# Altium PCB Main.PcbDoc (part 2 of 3)
Units mm, origin at the board's own origin, x right, y up, seen from the top; angles counter-clockwise.
Board outline 75 x 150 mm, 4 copper layers (SIG1, GND1, GND2, SIG2), stack 1.602 mm thick; 218 components, 159 nets, 788 pads, 864 vias.
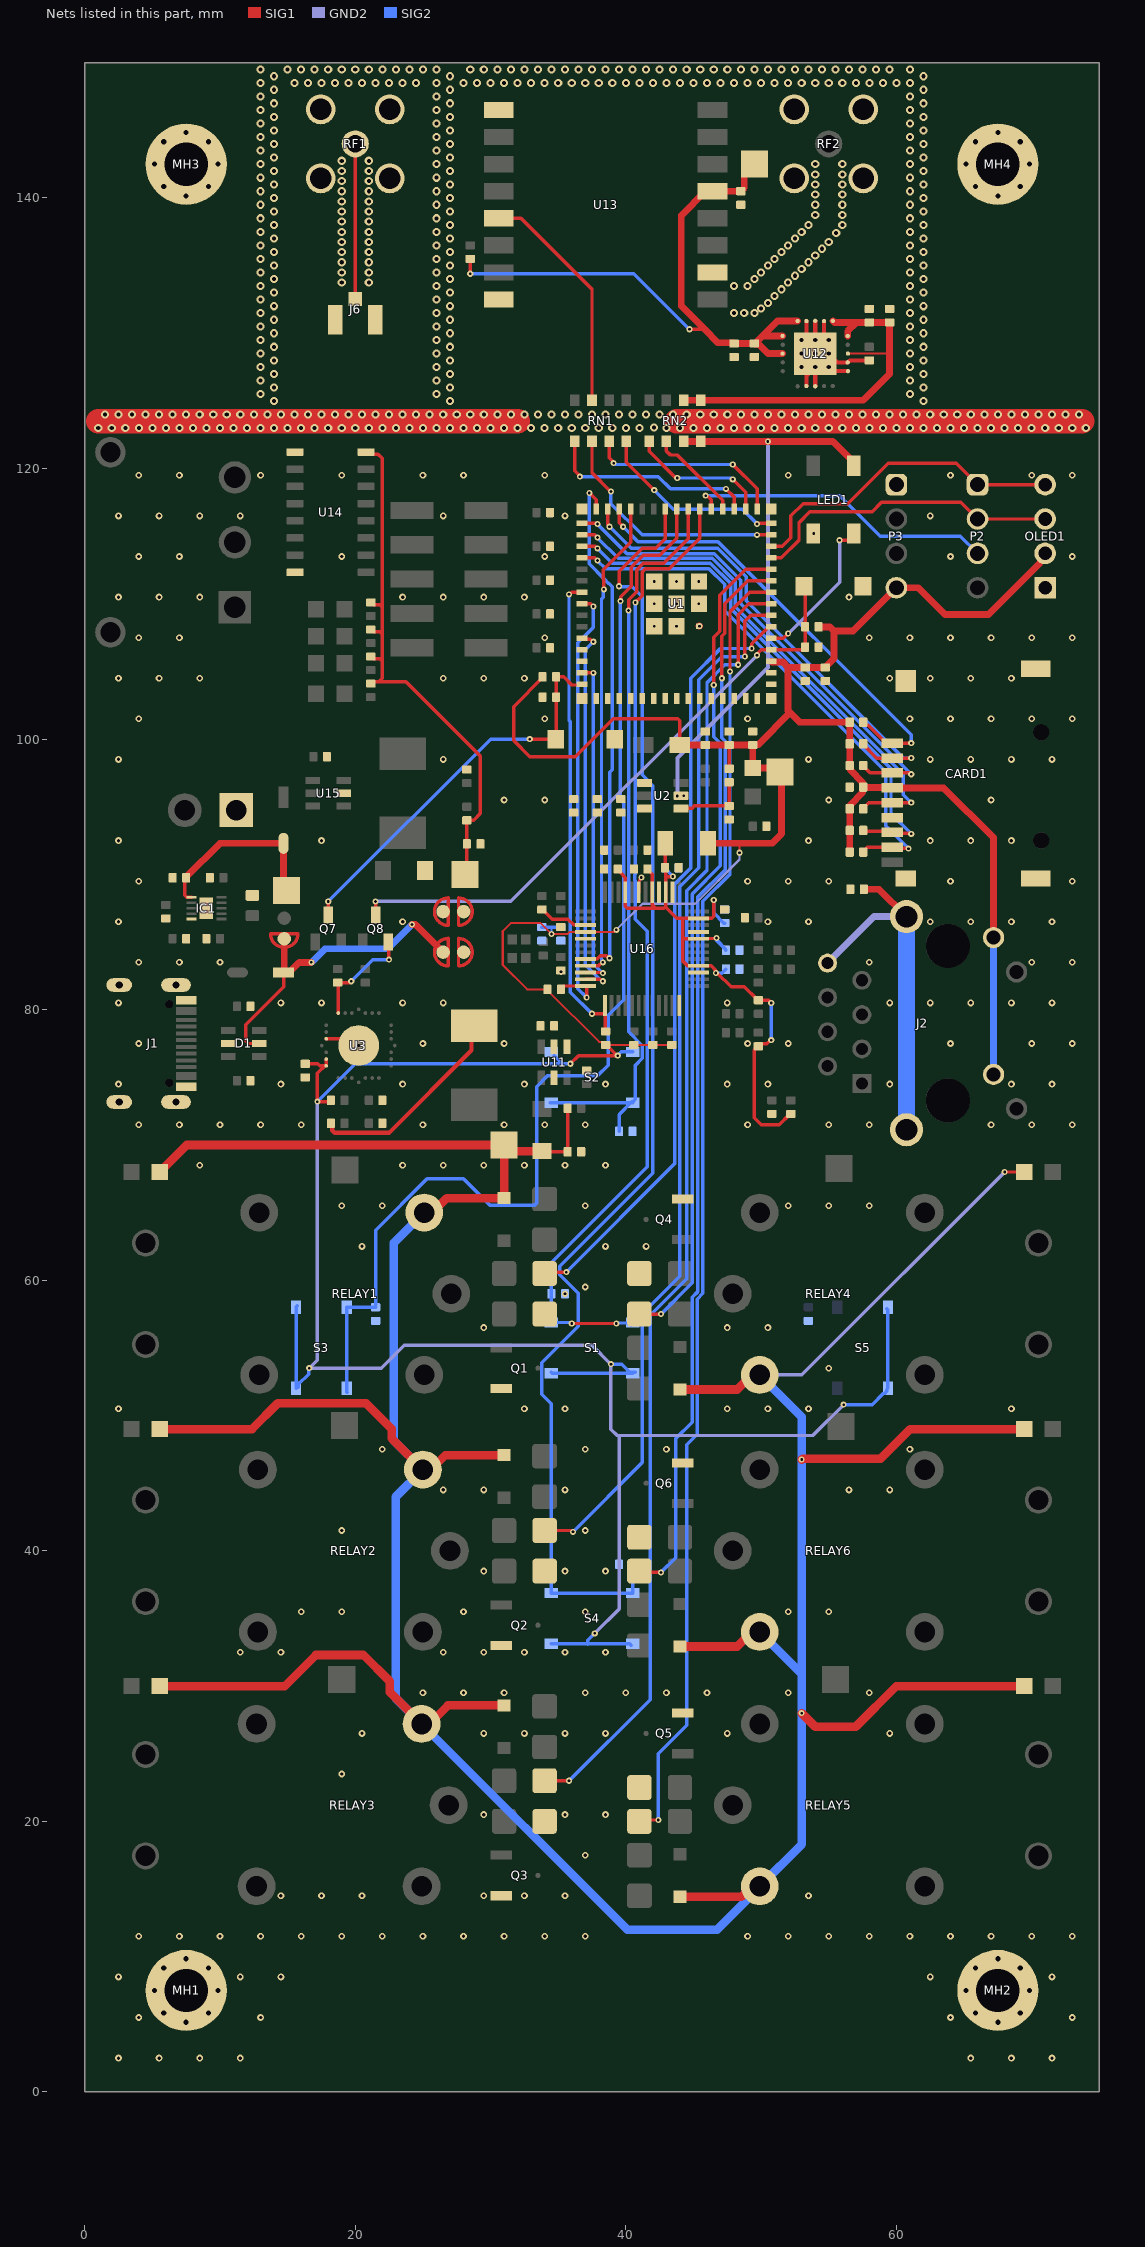
[diagram p4: the nets of this part, all layers, seen from the top]

## Part data
C1 C2 C5 C10 C12 C14 C15 C18 C19 C21 C28 C29 C30 C31 C32 C33 C34: library part CAP_0402, "Capacitor SMD 0402", Rating=100n
C3 C4 C9 C11 C13 C16 C17 C20 C22 C27 C35: library part CAP_0402, "Capacitor SMD 0402"
C6 C7 C8 C23 C24 C25 C26: library part CAP_0402, "Capacitor SMD 0402", Rating=22u
C36: library part CAP_0402, "Capacitor SMD 0402", Rating=22n
C37 C39: library part CAP_0402, "Capacitor SMD 0402", Rating=8p
C38 C40: library part CAP_0402, "Capacitor SMD 0402", Rating=6n8
C41 C43: library part CAP_0402, "Capacitor SMD 0402", Rating=10n
C42: library part CAP_0402, "Capacitor SMD 0402", Rating=4u7
C44: library part CAP_0402, "Capacitor SMD 0402 100V", Rating=1n
CARD1: JLCPCB Part Class="Extended Part", Manufacturer="SHOU HAN(首韩)", Contributor=LCSC, Manufacturer Part="TF PUSH", spicePre=C, spiceSymbolName="TF PUSH", Supplier=LCSC, Supplier Part=C393941
D1: JLCPCB Part Class="Extended Part", Manufacturer=ST(意法半导体), Manufacturer Part=USBLC6-2SC6, spicePre=D, spiceSymbolName=USBLC6-2SC6, Supplier=LCSC, Supplier Part=C7519
D2 D3: library part CMP-0303-00003-3, "DIODE SCHOTTKY 40V 1A SOD123", Average Rectified Current=1A, Capacitance=110pF, Case/Package=SOD-123-2, Forward Voltage=450mV, Max Forward Surge Current (Ifsm)=25A, Max Operating Temperature=125°C, Max Power Dissipation=450mW, Max Repetitive Reverse Voltage (Vrrm)=40V, Min Operating Temperature=-65°C, Package Quantity=3000, Peak Reverse Current=50uA, Contact Plating=Tin, Current Rating=1A, Element Configuration=Single, Forward Current=1A, Height=1.25mm, Lead Free="Lead Free", Length=2.85mm, Max Reverse Voltage (DC)=40V, Number of Pins=2, Output Current=1A, Packaging="Tape and Reel", Peak Non-Repetitive Surge Current=25A, Polarity=Standard, Radiation Hardening=No, REACH SVHC="No SVHC", Termination=SMD/SMT, Voltage Rating (DC)=40V, Weight=0.000353oz, Width=1.7mm
D5: library part CMP-22017-000036-1, "LED ORANGE CLEAR SMD", Case Code (Imperial)=0805, Case Code (Metric)=2012, Color=Orange, Forward Current=30mA, Forward Voltage=2V, Lens Color=Colorless, Max Operating Temperature=85°C, Min Operating Temperature=-55°C, Package Quantity=1, Power Dissipation=75mW, Reverse Voltage=5V, Test Current=20mA, Case/Package=0805, Depth=1.6mm, Dominant Wavelength=605nm, Height=1.1mm, Illumination Color=Orange, Lead Free="Lead Free", Length=3.2mm, Lens Style=Diffused, Lens Transparency=Clear, Luminous Intensity=60mcd, Mount="Surface Mount", Number of Elements=1, Number of LEDs=1, Number of Pins=2, Packaging="Tape and Reel", Power Rating=75mW, Radiation Hardening=No, Viewing Angle=130°, Wavelength=611nm, Width=1.25mm
D6 D9: library part CMP-15604-000001-1, "DIODE SCHOTTKY 40V 3A SOD123W", RoHS Compliant=Yes
DS1 DS2 DS3 DS4 DS5 DS6 DS7 DS8 DS9: library part CMP-2000-07593-1, "LED Red, 75 mW, 54 mcd, -55 to 85 degC, 2-Pin SMD, RoHS, Tape and Reel", Case Code (Imperial)=0805, Case Code (Metric)=2012, Colour=Red, Forward Current=30mA, Forward Voltage=2V, Lens Colour=Colorless, Manufacturer=Lite-On, Max Operating Temperature=85degC, Min Operating Temperature=-55degC, Package Description="2-Pin Surface Mount Device, Body 2 x 1.25 mm", Package Quantity=1, Package Reference=C170KRKT, Power Dissipation=75mW, Test Current=20mA, Case\/Package=0805, Datasheet URL=http://optoelectronics.liteon.com/upload/download/DS-22-99-0150/LTST-C170KRKT.pdf, Datasheet Version="Rev. D, 11/2014", Depth=1.6mm, Dominant Wavelength=631nm, Height=1.1mm, Illumination Colour=Red, Lead Free=LeadFree, Length=3.2mm, Lens Style=Rectangular, Lens Transparency=Clear, Luminous Intensity=54mcd, Manufacturer URL=http://www.us.liteon.com/, Mount=SurfaceMount, Mounting Technology=SurfaceMount, Number of Elements=1, Number of LEDs=1, Number of Pins=2, Packaging=TapeandReel, Power Rating=75mW, Radiation Hardening=No, RoHSCompliant=True, Viewing Angle=130degrees, Wavelength=639nm, Width=1.25mm
DS10: library part CMP-2000-06620-1, "Ultra Bright AlInGaP Chip LED, 75 mW, -55 to 85 degC, 2-Pin SMD (0805), RoHS, Tape and Reel", Emitting Color=YellowGreen, Forward Current=30mA, Forward Voltage=2.4V, Manufacturer=Lite-On, Operating Temp Range=-55Cto85C, Operating Temperature Classification=Industrial, Package Description="2-Pin Surface Mounted Device, Body 2 x 1.25 mm", Package Reference=LTST-C170KGKT-2, Package Type=ChipLed, Power Dissipation=75W, Power Dissipation Max=75mW, Reverse Voltage=5V, Test Current (It)=20mA, Chip Material=AlGaInP, Datasheet URL=http://optoelectronics.liteon.com/upload/download/DS22-2000-073/S_110_LTST-C170KGKT.pdf, Datasheet Version="Rev. G, 06/2005", DELETED=Compliant, Dominant Wave Length=571nm, Forward Current Max=30mA, High Brightness=Yes, Lens Dimensions=1.4x1.25x0.6mm, Lum Intensity=35mcd, Luminous Intensity=35mcd, Main Category=ChipLED, Manufacturer URL=http://www.us.liteon.com/, Mounting=SurfaceMount, Mounting Technology=SurfaceMount, Number of  Elements=1, Packaging=TapeandReel, Peak Wavelength=574nm, Pin Count=2, Product Depth (mm)=1.25mm, Product Height (mm)=1.1mm, Product Length (mm)=2mm, Rad Hardened=No, Shape Type=Rectangular, Type=Uni-Color, Viewing Angle=130deg
FB1: library part CMP-0686-00732-3, "Chip Ferrite Bead Array, 1206, 120Ω @ 100MHz, 0.02Ω, 25%, 3.5A", Case Code (Imperial)=1206, Case Code (Metric)=3216, Current Rating=3.5A, DC Current=3A, DC Resistance (DCR)=20mR, Frequency=100MHz, Max Operating Temperature=125°C, Min Operating Temperature=-55°C, Package Quantity=3000, Tolerance=25%, Case/Package=1206, Contact Plating=Tin, Core Material=Ferrite, Depth=1.6mm, Height=1.1mm, Impedance=120R, Lead Free="Lead Free", Length=3.2mm, Material=Steel, Max Current Rating=3.5A, Max DC Current=3A, Military Standard=Not, Number of Lines=1, Number of Pins=2, Packaging="Tape and Reel", Radiation Hardening=No, RoHS Compliant=Yes, Shielding=Unshielded, Termination=SMD/SMT, Test Frequency=100MHz, Width=1.6mm
IC1: "Integrated Circuit", Manufacturer_Name="Texas Instruments", Mouser Part Number=595-BQ25185DLHR, Datasheet Link=https://www.ti.com/lit/ds/symlink/bq25185.pdf?ts=1706857561339&ref_url=https%253A%252F%252Fwww.ti.com%252Fproduct%252FBQ25185, Height=0.8mm, Manufacturer_Part_Number=BQ25185DLHR, Mouser Price/Stock=https://www.mouser.co.uk/ProductDetail/Texas-Instruments/BQ25185DLHR?qs=Z%252BL2brAPG1IbO%2FV3RqsaPw%3D%3D
J1: "USB Type C Connector Horizontal SMT", Manufacturer="Koren Hroparts", Manufacturer Part Number=TYPE-C-31-M-12
J2: library part CMP-240752-000001-1, "CONN JACK 1PORT 100 BASE-T PCB", Color=Green, Max Operating Temperature=85°C, Min Operating Temperature=-40°C, Connector Type=RJ45, Contact Material=Brass, Contact Plating=Gold, Direction=Down, Housing Material=Thermoplastic, Mount="Through Hole", Number of Cores per Jack=4, Number of Ports=1, Number of Rows=1, Packaging=Bulk, Series=-, Shielding=Shielded, Termination=Solder
J3: "Connector", Manufacturer_Name=Amphenol, Mouser Part Number=649-72454-010VLF, Datasheet Link=https://cdn.amphenol-cs.com/media/wysiwyg/files/drawing/72454.pdf, Height=12.78mm, Manufacturer_Part_Number=72454-010VLF, Mouser Price/Stock=https://www.mouser.co.uk/ProductDetail/Amphenol-FCI/72454-010VLF?qs=yJYkLTYh574QEF9%252BDEmzOw%3D%3D
J6: library part CMP-11598-000004-1, "CONN U.FL RCPT STR 50 OHM SMD", Case/Package=SMD/SMT, Dielectric Material=Polymer, Housing Color=Beige, Max Frequency=6GHz, Max Operating Temperature=90°C, Min Operating Temperature=-40°C, Package Quantity=10000, Body Material=Bronze, Body Plating=Silver, Center Contact Plating=Gold, Connector Type=Receptacle, Contact Material=Brass, Fastening Type=SNAP-ON, Impedance=50R, Lead Free="Lead Free", Mating Cycles=30, Mount="Surface Mount", Number of Ports=1, Packaging="Tape and Reel", RoHS Compliant=Yes, Series=U.FL, Termination=Solder
L1: library part CMP-02424-000689-1, "FIXED IND 2.2UH 3A 46 MOHM SMD", Case/Package=1212, Current Rating=3A, DC Resistance (DCR)=46mR, Inductance=2.2uH, Inductance Tolerance=20%, Max Operating Temperature=125°C, Min Operating Temperature=-55°C, Package Quantity=3000, Saturation Current=3.3A, Self Resonant Frequency=55MHz, Test Frequency=100kHz, Contact Plating=Tin, Core Material=Metal, Depth=3.2mm, Height=2mm, Height - Seated (Max)=0.079inch, Lead Free="Lead Free", Length=3.6mm, Max DC Current=3A, Military Standard=Not, Mount="Surface Mount", Number of Pins=2, Packaging="Tape and Reel", Radiation Hardening=No, Rated Current-Max=3A, RMS Current (Irms)=3A, RoHS Compliant=Yes, Series=IHLP-1212BZ-11, Shielding=Shielded, Termination=SMD/SMT, Tolerance=20%, Width=3mm
L2 L3: library part CMP-02424-000065-1, "Commercial Inductors, High Saturation Series 4.7uH 6.5A 30.3mΩ 20%", Case/Package=2525, Current Rating=6.5A, DC Resistance (DCR)=30.3mR, Inductance=4.7uH, Inductance Tolerance=20%, Max Operating Temperature=125°C, Min Operating Temperature=-55°C, Package Quantity=500, Saturation Current=7A, Self Resonant Frequency=1MHz, Test Frequency=100kHz, Core Material=Ferrite, Depth=6.72mm, Height=5mm, Height - Seated (Max)=0.197inch, Lead Free="Lead Free", Length=6.86mm, Max DC Current=6.5A, Military Standard=Not, Mount="Surface Mount", Number of Pins=2, Packaging="Tape and Reel", Radiation Hardening=No, RMS Current (Irms)=6.5A, Shielding=Shielded, Termination=SMD/SMT, Tolerance=20%, Width=0.255inch
LED1: library part XL-5050RGBC-WS2812B_1, JLCPCB Part Class="Extended Part", Manufacturer=XINGLIGHT(成兴光), Add into BOM=yes, Convert to PCB=yes, Datasheet=https://atta.szlcsc.com/upload/public/pdf/source/20240412/E1004CAA80592E31D08BFE019083806F.pdf, Device=XL-5050RGBC-WS2812B, LCSC Part Name=XL-5050RGBC-WS2812B, Manufacturer Part=XL-5050RGBC-WS2812B, Supplier=LCSC, Supplier Footprint=SMD5050, Supplier Part=C2843785, Symbol=XL-5050RGBC-WS2812B
OLED1: JLCPCB Part Class="Extended Part", LCSC Part Name="2.42'2.42寸 128*64 OLED显示屏 I2C通讯 SH1106 蓝光", Manufacturer=HS(汉昇), Operating Temperature=-40℃~+70℃, Add into BOM=yes, Convert to PCB=yes, Datasheet=https://atta.szlcsc.com/upload/public/pdf/source/20230720/176F0AF8D37A088395ACB9E2EFE5699A.pdf, Device=HS242L03B2C01, Interface Type=I2C, Main Control Chip=SSD1309, Manufacturer Part=HS242L03B2C01, Size=2.42, Supplier=LCSC, Supplier Footprint=-, Supplier Part=C7466000, Symbol=HS242L03B2C01
P2 P3: library part CMP-1502-01064-3, Color=Black, Contact Resistance=20mΩ, Current Rating=3A, Max Operating Temperature=105°C, Min Operating Temperature=-40°C, Operating Supply Voltage=250V, Connector Type="Male Pin", Contact Material=Copper, Contact Mating Length=5.9944mm, Contact Plating=Gold, Gender=Male, Height=8.89mm, Lead Free="Lead Free", Lead Pitch=2.54mm, Mount="Through Hole", NexarPartId=32855522, Number of Contacts=4, Number of Pins=4, Number of Positions=4, Number of Rows=1, Orientation=Vertical, Packaging=Bulk, Pitch=2.54mm, REACH SVHC=Unknown, RoHS=Compliant, Termination=Solder, Voltage Rating=250V
Q1 Q2 Q3 Q4 Q5 Q6: library part D882(RANGE:160-320)_C9634, Collector - Emitter Voltage VCEO=30V, Current - Collector Cutoff=1uA, Current - Collector(Ic)=3A, DC Current Gain=160@1A,2V, JLCPCB Part Class="Basic Part", LCSC Part Name="Y档 160~320", Manufacturer=CJ(江苏长电/长晶), Operating Temperature=-55℃~+150℃, Pd - Power Dissipation=500mW, Transition frequency(fT)=50MHz, Add into BOM=yes, Convert to PCB=yes, Datasheet=https://atta.szlcsc.com/upload/public/pdf/source/20121027/1457706543612.pdf, Device=D882(RANGE:160-320)_C9634, Manufacturer Part=D882(RANGE:160-320), Supplier=LCSC, Supplier Footprint=SOT-89-3, Supplier Part=C9634, Symbol=D882_C9634, Type=NPN, Vce Saturation(VCE(sat))=500mV
Q7 Q8: Collector Cut-Off Current (Icbo)=150nA, Collector-Emitter Saturation Voltage (VCE(sat)@Ic,Ib)=500mV@800mA,80mA, DC Current Gain (hFE@Ic,Vce)=100@100mA,1V, JLCPCB Part Class="Extended Part", LCSC Part Name="NPN 电流:800mA 耐压:25V", Manufacturer=LRC(乐山无线电), Operating Temperature=-55℃~+150℃, Add into BOM=yes, Convert to PCB=yes, Datasheet=https://atta.szlcsc.com/upload/public/pdf/source/20150518/1457707314424.pdf, Device=L8050QLT1G, Manufacturer Part=L8050QLT1G, Supplier=LCSC, Supplier Footprint=SOT-23, Supplier Part=C49581, Symbol=L8050QLT1G
R1 R12 R13 R14 R17 R18 R21 R22 R23 R24 R25 R26: library part RES_1206, "Resistor SMD 1206 1k 0.5W"
R2 R3: library part RES_0402, "Resistor SMD 0402 5.1k"
R4 R5 R6 R7 R8 R9 R11 R16 R30 R31 R32 R33 R34 R35 R36 R37 R38 R39 R40 R41 R42 R44 R45 R46 R47 R48 R54 R55 R56 R57 R58 R59 R60 R61 R64 R66 R67 R68: library part RES_0402, "Resistor SMD 0402"
  R32: Parameter 1=47k5
  R64: Parameter="10R 1%"
R10: library part RES_0402, "Resistor SMD 0402", Rating=22k1
R15 R19 R20 R27 R28 R29: library part RES_1206, "Resistor SMD 1206 10k 0.25W"
R43: library part RES_0603, "Resistor SMD 0603", Resistance=13k
R49: library part RES_0402, "Resistor SMD 0402", Resistance=300
R50: library part RES_0402, "Resistor SMD 0402", Resistance=604
R51: library part RES_0402, "Resistor SMD 0402", Resistance=1k2
R52: library part RES_0402, "Resistor SMD 0402", Resistance=3k
R53: library part RES_0402, "Resistor SMD 0402", Resistance=6k
R62 R63 R70 R71: library part RES_0402, "Resistor SMD 0402", Resistance="50R 0.1%"
R65: library part RES_0402, "Resistor SMD 0402", Resistance=1Meg
R69: library part RES_0402, "Resistor SMD 0402", Resistance="12k4 1%"
R72 R73: library part RES_0402, "Resistor SMD 0402", Resistance=330
R74 R75 R76 R77: library part RES_0402, "Resistor SMD 0402", Resistance=33
RELAY1 RELAY2 RELAY3 RELAY4 RELAY5 RELAY6: Coil Rated Power=360mW, Coil Resistance=400Ω, Coil Voltage=12V, Contact Rating=-, Contact Resistance=100mΩ, JLCPCB Part Class="Extended Part", Manufacturer=松乐, Maximum Switching Current=15A, Maximum Switching Voltage=250V@AC, Add into BOM=yes, Coil Type="Non-polar - Single Coil", Contact Form="One Conversion: 1C (SPDT-Conversion)", Convert to PCB=yes, Datasheet=https://atta.szlcsc.com/upload/public/pdf/source/20200305/C490149_C96E4098A3B1FFB377D5AD2E40B7C2A8.pdf, Device=SRD-12VDC-SL-C, LCSC Part Name=SRD-12VDC-SL-C, Manufacturer Part=SRD-12VDC-SL-C, Operate Time=10ms, Pin Number=5, Release Time=10ms, Supplier=LCSC, Supplier Footprint=插件,15.6x19.2mm, Supplier Part=C30431, Symbol=SRD-12VDC-SL-C
RF1 RF2: JLCPCB Part Class="Extended Part", LCSC Part Name="内孔 SMA 弯头", Manufacturer="BAT WIRELESS(蝙蝠无线)", Operating Temperature Range=-, Add into BOM=yes, Connector Type="Board Side", Convert to PCB=yes, Datasheet=https://item.szlcsc.com/datasheet/BWSMA-KWE-Z001/508500.html, Device=BWSMA-KWE-Z001, Impedance=50Ω, Interface="Inner Bore", Interface Diameter=5.3mm, Interface Length/Height=-, Manufacturer Part=BWSMA-KWE-Z001, Number of Ports=1, RF Series=SMA, Style=Elbow, Supplier=LCSC, Supplier Footprint=插件, Supplier Part=C496551, Symbol=BWSMA-KWE-Z001
RN1 RN2: "Resistor Network", Manufacturer_Name=YAGEO, Mouser Part Number=603-YC324-JK-070RL, Datasheet Link=https://www.yageo.com/upload/media/product/productsearch/datasheet/rchip/PYu-YC_TC_group_51_RoHS_L_9.pdf, Height=0.7mm, Manufacturer_Part_Number=YC324-JK-070RL, Mouser Price/Stock=https://www.mouser.co.uk/ProductDetail/YAGEO/YC324-JK-070RL?qs=k2KEx2DUIRRSvKJyWrVMgA%3D%3D
S1 S2 S3 S4 S5 S6: "Switch", Manufacturer_Name="XKB Connectivity"
  S1 S2 S3 S4 S5: Datasheet Link=http://www.helloxkb.com/public/images/pdf/TS-1187A-X-X-X.pdf, Height=4.05mm, Manufacturer_Part_Number=TS-1187A-B-A-B
  S6: Datasheet Link=http://www.helloxkb.com/public/images/pdf/SS-12D11XXX.pdf, Height=6.9mm, Manufacturer_Part_Number=SS-12D11G5R
SB1 SB2 SB3: "Close the brige with solder"
SW1 SW2: Actuator/Cap Color=Black, Contact Current=50mA, Insulation Resistance=100MΩ, JLCPCB Part Class="Basic Part", LCSC Part Name="4*3*2mm 立贴 轻触开关", Manufacturer=XUNPU(讯普), Operating Force=160gf, Operating Temperature=-30℃~+80℃, Voltage Rating (DC)=12V, Actuator Style="Round Button", Add into BOM=yes, Circuit=SPST, Convert to PCB=yes, Datasheet=https://atta.szlcsc.com/upload/public/pdf/source/20200810/C720475_60D09DD6C54279ADDB2DC25100F1CC11.pdf, Device=TS-1088-AR02016, Manufacturer Part=TS-1088-AR02016, Mechanical Life=10万次, Mounting Style="Brick nogging", Pin Style=SMDSplicing, Strike Gundam=不带, Supplier=LCSC, Supplier Footprint=SMD, Supplier Part=C720477, Switch Height=2mm, Switch Length=4mm, Switch Width=3mm, Symbol=TS-1088-AR02016
TP1 TP4 TP5 TP12 TP13 TP14 TP15 TP16 TP17 TP18 TP19: library part PAD_SQ_2MM, "Test Point Square 2mm"
U1: "Bluetooth, WiFi 802.11b/g/n, Bluetooth v5.0 Transceiver Module 2.4GHz Antenna Not Included, U.FL Surface Mount", Package="VFQFN-56 Espressif Systems", Check_prices=https://www.snapeda.com/parts/ESP32-S3-MINI-1U-N8/Espressif+Systems/view-part/?ref=eda, MF="Espressif Systems", MP=ESP32-S3-MINI-1U-N8, SnapEDA_Link=https://www.snapeda.com/parts/ESP32-S3-MINI-1U-N8/Espressif+Systems/view-part/?ref=snap
U2: library part CMP-04918-000155-1, "IC REG BUCK ADJ 3A TSOT23-6", Case/Package=SOT-23-6, Max Input Voltage=17V, Max Operating Temperature=125°C, Max Output Current=3A, Max Output Voltage=7V, Min Input Voltage=4.5V, Min Operating Temperature=-40°C, Min Output Voltage=760mV, Quiescent Current=190uA, Switching Frequency=650kHz, Contact Plating=Tin, Lead Free="Lead Free", Mount="Surface Mount", Number of Outputs=1, Operating Supply Voltage=17V, Output Configuration=Positive, Output Current=3A, Output Type=Adjustable, Output Voltage=7V, Packaging="Tape and Reel", Radiation Hardening=No, Synchronous Rectifier=Yes
U3: library part CMP-08093-000007-1, "IC USB TO UART BRIDGE QFN28"
U4 U5 U6 U7 U8 U9: Color=Black, Current Rating=15A, JLCPCB Part Class="Extended Part", LCSC Part Name="1x2P 7.5mm 直插 排数:1 每排P数:2", Manufacturer=XINLAIYA(新莱亚), Operating Temperature=-, Voltage Rating (Max)=300V, Add into BOM=yes, Convert to PCB=yes, Datasheet=https://atta.szlcsc.com/upload/public/pdf/source/20200527/C557658_B3C8AA697A6B8DAEB465BA1D7AD16B40.pdf, Device=XY705V-7.5-2P, Manufacturer Part=XY705V-7.5-2P, Mounting Type=Straight, Number of Pins=2P, Number of PINs Per Row=2, Number of Positions or Pins=1x2P, Number of Rows=1, Pitch=7.5mm, Screw Specification=M2.5, Supplier=LCSC, Supplier Footprint=插件,P=7.5mm, Supplier Part=C557657, Symbol=XY705V-7.5-2P, Wire Gauge - AWG=14~22, Wire Gauge - mm2=2.5
U10: Color=Red, Current Rating=10A, JLCPCB Part Class="Extended Part", LCSC Part Name="1x2P 3.81mm 直插 排数:1 每排P数:2", Manufacturer=DORABO(地博电气), Operating Temperature=-40℃~+105℃, Voltage Rating (Max)=300V, Add into BOM=yes, Convert to PCB=yes, Datasheet=https://atta.szlcsc.com/upload/public/pdf/source/20220823/CB89165D0F406880B925A92BEEA3FB50.pdf, Device=DB125-3.81-2P-RD-S, Manufacturer Part=DB125-3.81-2P-RD-S, Mounting Type="Through Hole", Number of Pins=2P, Number of PINs Per Row=2, Number of Positions or Pins=1x2P, Number of Rows=1, Pitch=3.81mm, Screw Specification=M2, Supplier=LCSC, Supplier Footprint=插件,P=3.81mm, Supplier Part=C881703, Symbol=DB125-3.81-2P-RD, Wire Gauge - AWG=16~26, Wire Gauge - mm2=1
U11 U15: JLCPCB Part Class="Extended Part", Manufacturer=西安航天民芯, Contributor=LCSC, Manufacturer Part=MT3608L, spicePre=U, spiceSymbolName=MT3608L, Supplier=LCSC, Supplier Part=C2932326
U12: library part CMP-04917-000027-1, "IC REG LINEAR POS ADJ 1A 20VQFN", Dropout Voltage=307mV, Manufacturer="Texas Instruments", Max Junction Temp=+125°C, Max Supply Voltage=35V, Min Supply Voltage=3V, Nominal Supply Current=0.58-6.1mA, Output Current=1A, Output Voltage=1.4-20.5V, Package=RGW0020A, Temperature="-40°C to +125°C", Temperature Range Low=-40°C, Accuracy Percentage=1%, Automotive=No, Category=IC, ComponentLink2Description=Datasheet, ComponentLink2URL=http://www.ti.com/lit/ds/symlink/tps7a47.pdf, Device Class L1="Integrated Circuits (ICs)", Device Class L2="Power Management ICs", Device Class L3="Voltage Regulators - Linear", Digikey Description="IC REG LINEAR POS ADJ 1A 20VQFN", Height=1mm, Lead Free=Yes, Manufacturer Part Number=TPS7A4700RGWR, Mouser Description="LDO Voltage Regulators Low Noise,1A,Hi Vltg LDO Reg", Number of Outputs=1, Octopart=https://octopart.com/tps7a4700rgwr-texas+instruments-21221956, Output Type=AdjustableProgrammable, RoHS=TRUE, Standoff Height=0mm, Temperature Range High=+125°C
U13: library part DL-RFM95-915M, JLCPCB Part Class="Extended Part", LCSC Part Name="sx1276 lora模块 无线射频模块 双向收发loraWAN超远离低功耗", Manufacturer=DreamLNK(骏晔科技), Operating Temperature=-20℃~+70℃, Output Power=20dBm, Receive  Current=10.8mA, Send  Current=120mA, Voltage - Supply=1.8V~3.7V, Add into BOM=yes, Antenna Type=-, Communication Distance=3km, Convert to PCB=yes, Datasheet=https://atta.szlcsc.com/upload/public/pdf/source/20240412/4C032EDBEA51F5778F500F593BDA4CE8.pdf, Device=DL-RFM95-915M, Interface Type=SPI, Manufacturer Part=DL-RFM95-915M, Modulation System=LoRa；MSK；GFSK；FSK；GMSK；OOK, Sensitivity=-148dBm, Supplier=LCSC, Supplier Footprint=SMD,16x16mm, Supplier Part=C2844473, Symbol=DL-RFM95-915M
U14: library part CMP-1633-00245-2, "Dual 2-Line To 4-Line Decoders/Demultiplexers, D0016A, LARGE T&R", F @ Nom Voltage(Max)(Mhz)=28, Generic Part Number=SN74HC139, ICC @ Nom Voltage(Max)(mA)=0.08, Manufacturer="Texas Instruments", Operating Temperature Range(C)="-40 to 85", Rating=Catalog, tpd @ Nom Voltage(Max)(ns)=44, Voltage(Nom)(V)=3.3,5, Bits(#)=4, Channels(#)=2, Code_JEDEC="MS-012 variation AC", Configuration=2：4, DatasheetVersion=SCLS108D, Function=Decoder/Demultiplexer, Input Type=LVTTL/CMOS, Output Drive (IOL/IOH)(Max)(mA)=5.2/-5.2, Output Type=CMOS, PackageReference=D0016A, Schmitt Trigger=No, Technology Family=HC, Type=Standard, VCC(Max)(V)=6, VCC(Min)(V)=2
U16: "Hardwired TCP/IP embedded Ethernet controller", Package=None, Availability=Unavailable, MP=W5500, Price=None
Y1: library part CMP-06054-000016-1, "CRYSTAL 25.0000MHZ 6PF SMD", Case/Package=SMD/SMT, ESR (Equivalent Series Resistance)=100R, Frequency=25MHz, Frequency Stability=100ppm, Frequency Tolerance=35ppm, Load Capacitance=6pF, Max Operating Temperature=125°C, Min Operating Temperature=-40°C, Ratings=AEC-Q200, Height=0.028inch, Length=0.079inch, Mount="Surface Mount", Packaging="Tape and Reel", Width=0.063inch
Z1 Z2 Z3 Z4 Z5 Z6: "Zener Diode", Manufacturer_Name=Diotec, Mouser Part Number=637-BZT52C4V7, Arrow Part Number=BZT52C4V7, Arrow Price/Stock=https://www.arrow.com/en/products/bzt52c4v7/diotec-semiconductor-ag?utm_currency=USD&region=europe, Datasheet Link=https://www.diodes.com/assets/Datasheets/ds18004.pdf, Height=1.35mm, Manufacturer_Part_Number=BZT52C4V7, Mouser Price/Stock=https://www.mouser.co.uk/ProductDetail/Diotec-Semiconductor/BZT52C4V7?qs=OlC7AqGiEDnKHszikXcSEg%3D%3D
